# Altium PCB M12_PCB.PcbDoc
Units mil, origin at the board's own origin, x right, y up, seen from the top; angles counter-clockwise.
Board outline 4988.34 x 2191.29 mil, 2 copper layers (Top Layer, Bottom Layer); 119 components, 90 nets, 499 pads, 190 vias.
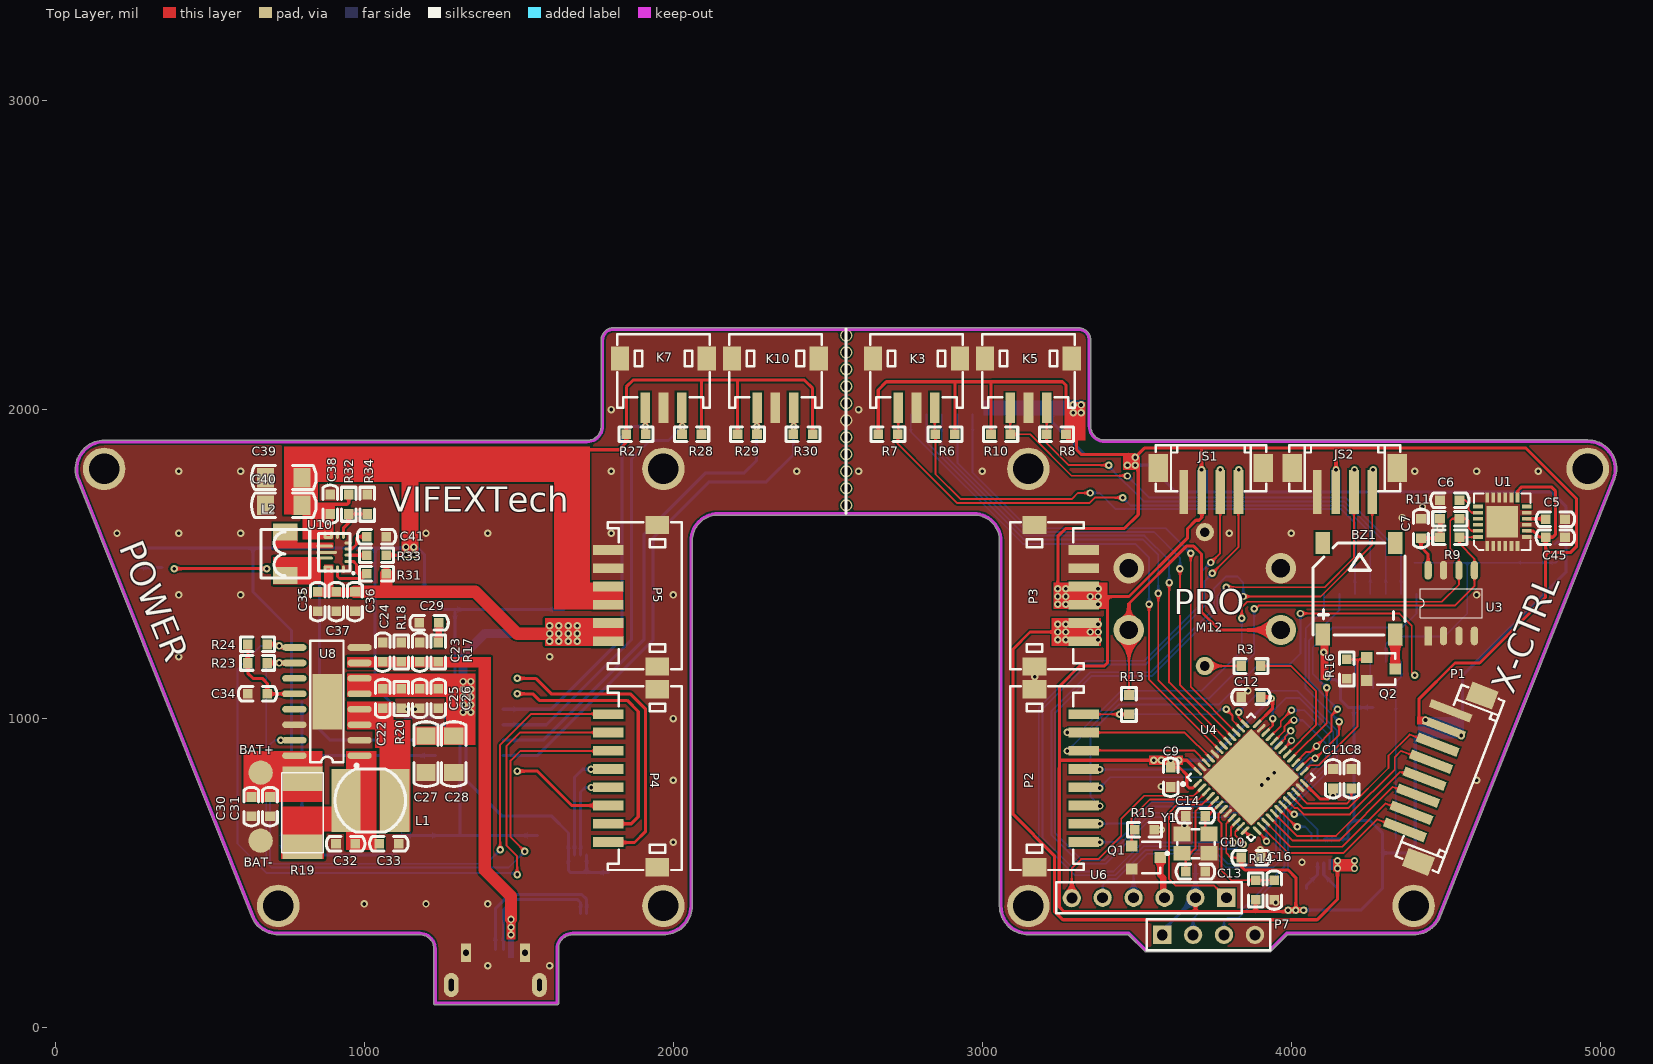
[diagram p0: Top Layer view]
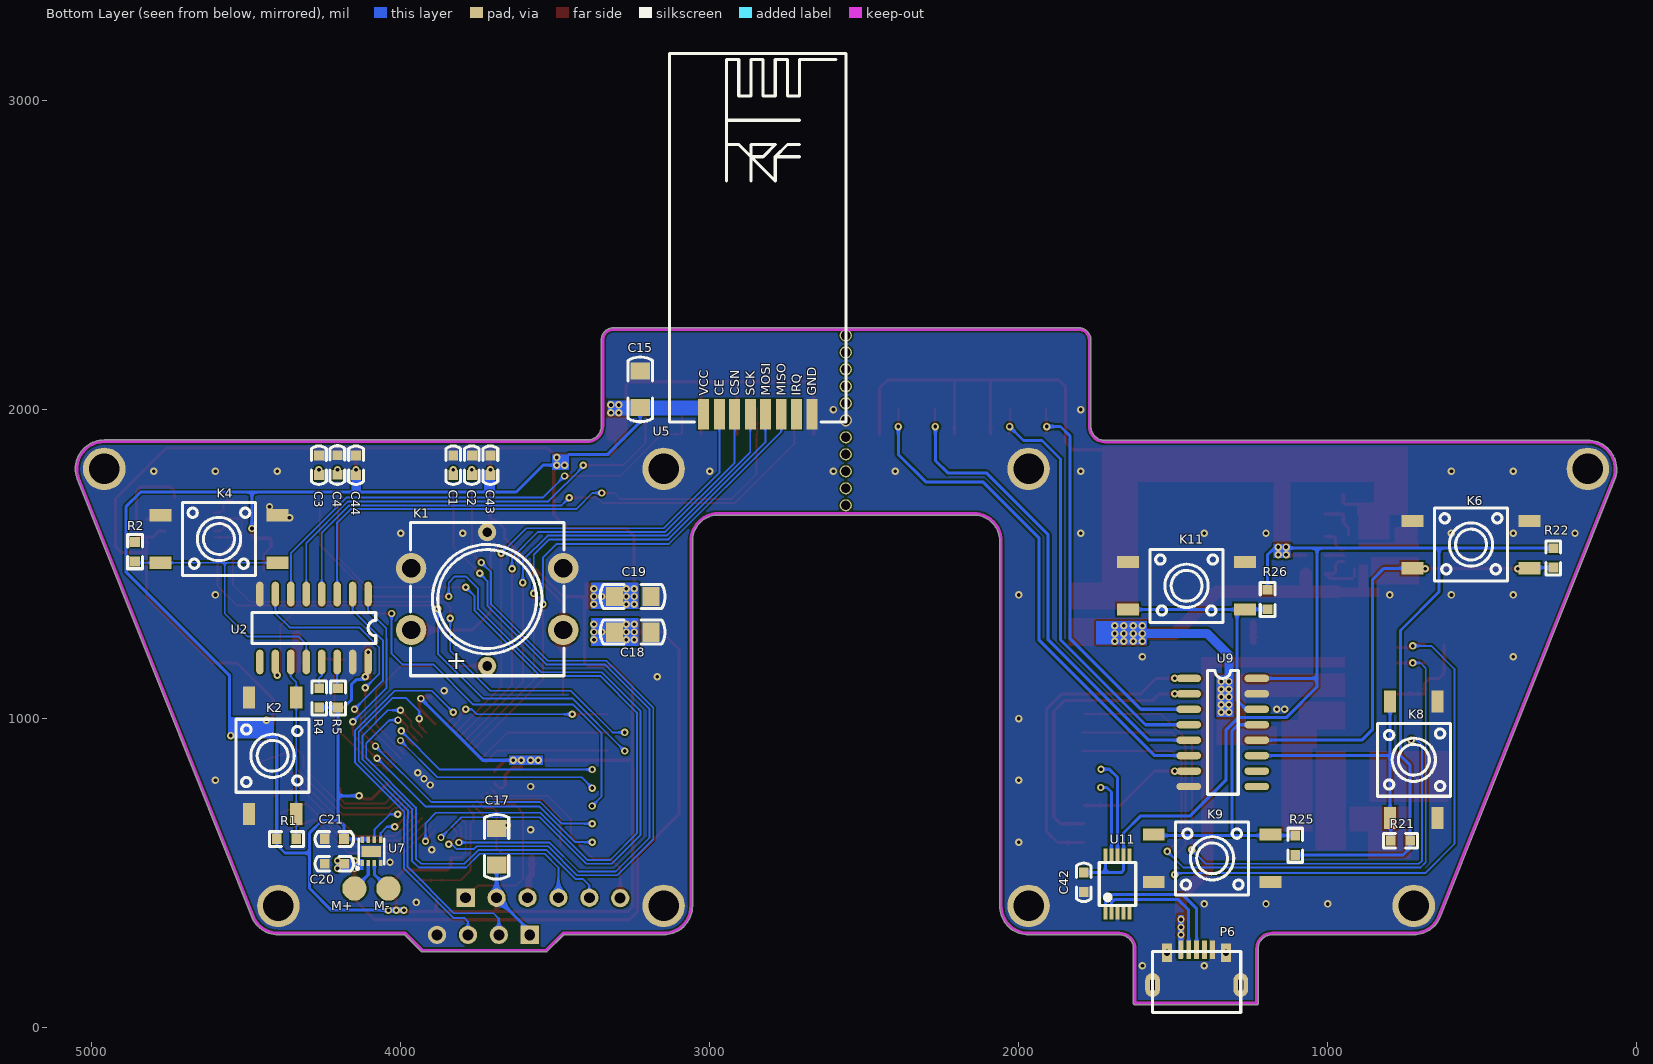
[diagram p1: Bottom Layer view, seen from below]
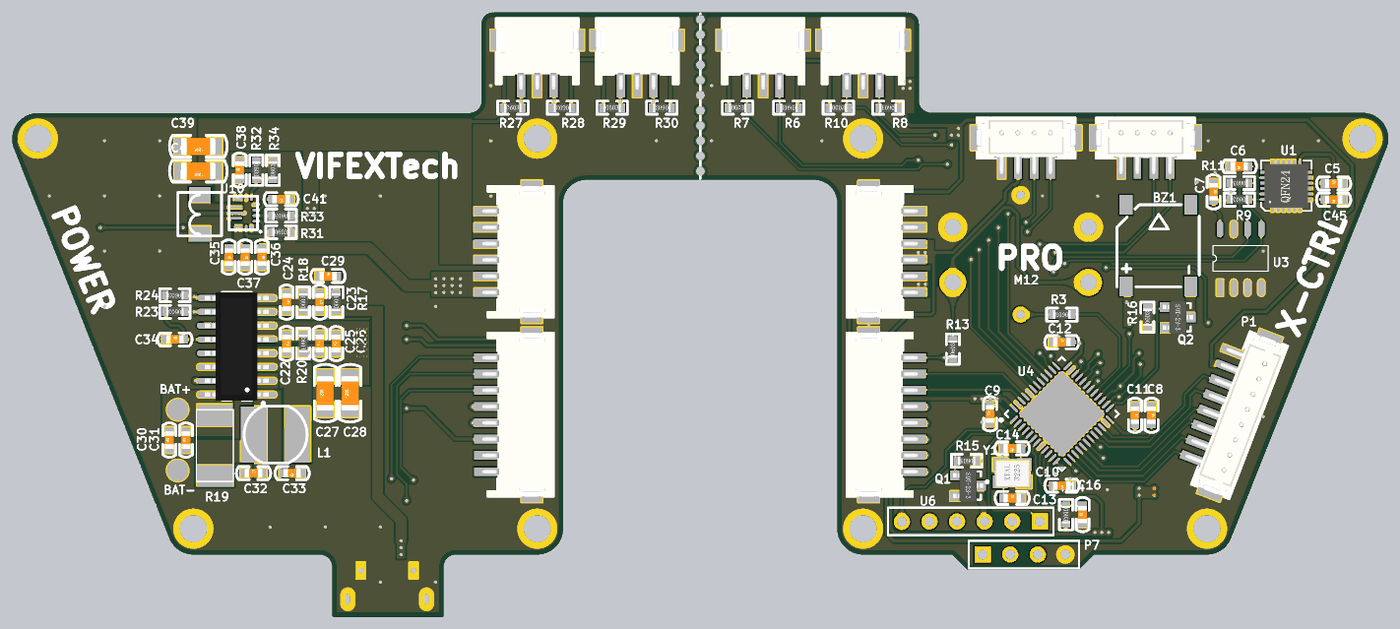
[diagram p2: 3D render of the assembled board from above, using the file's embedded part models]
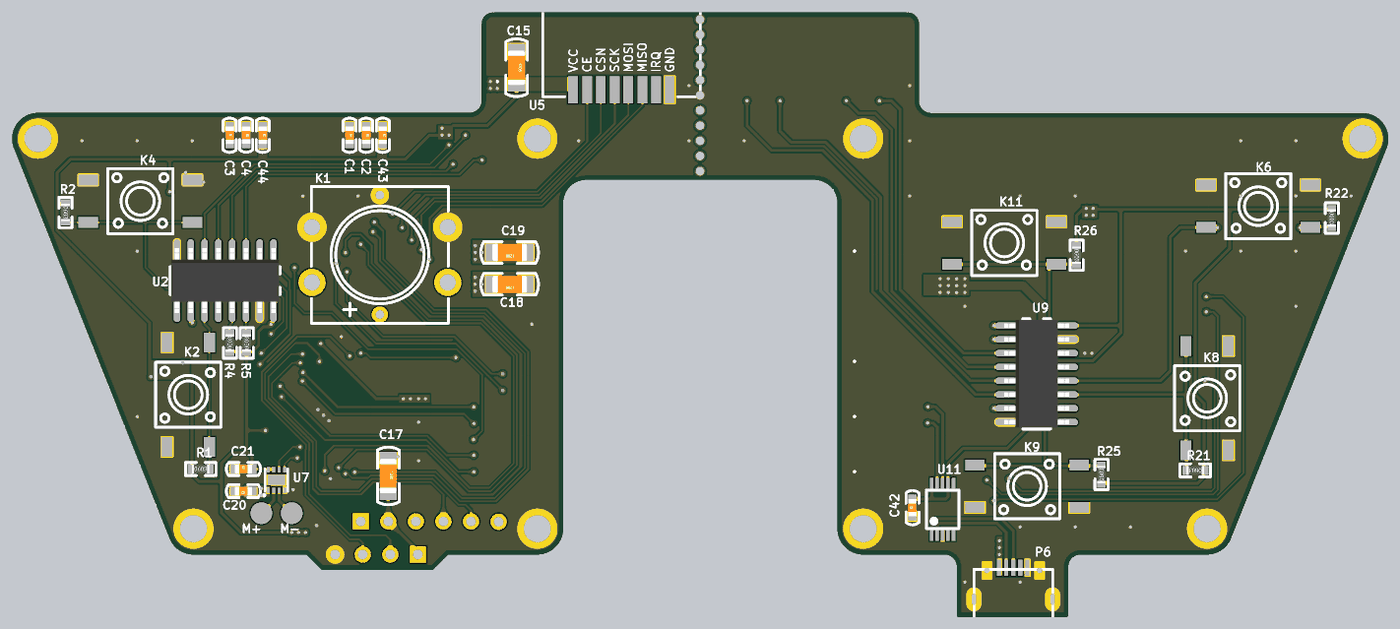
[diagram p3: 3D render of the assembled board from below, using the file's embedded part models]

## Layer stack, top to bottom
Top Solder: solder mask 0.4, Solder Resist, Dk 3.5
Top Layer: signal copper 1.4
Dielectric 1: dielectric 12.6, FR-4, Dk 4.8
Bottom Layer: signal copper 1.4
Bottom Solder: solder mask 0.4, Solder Resist, Dk 3.5

## Board outline
637.22,354.14 ccw(c722.05,393.7) 722.05,300.1 1180.32,300.1 cw(c1180.32,255.12) 1225.3,255.12 1225.3,78.74 ccw(c1230.32,78.74) 1230.32,73.73 1624.02,73.73 ccw(c1624.02,78.74) 1629.03,78.74 1629.03,255.12 cw(c1674.02,255.12) 1674.02,300.1 1968.5,300.1 ccw(c1968.5,393.7) 2062.1,393.7 2062.1,1574.8 cw(c2145.67,1574.8) 2145.67,1658.37 2972.44,1658.37 cw(c2972.44,1574.8) 3056.01,1574.8 3056.01,393.7 ccw(c3149.61,393.7) 3149.61,300.1 3472.8,300.1 3526.45,246.45 3526.44,246.47 ccw(c3530,250) 3530,244.98 3930,244.98 ccw(c3930,250) 3933.56,246.47 3933.55,246.45 3987.2,300.1 4396.06,300.1 ccw(c4396.06,393.7) 4480.89,354.14 ccw(c4476.35,356.26) 4481,354.41 5047.2,1774.27 ccw(c5042.54,1776.13) 5047.22,1774.33 ccw(c4959.84,1807.87) 5053.44,1807.87 ccw(c4959.84,1807.87) 4959.84,1901.47 3396.46,1901.47 cw(c3396.46,1946.46) 3351.47,1946.46 3351.47,2224.41 ccw(c3310.87,2224.41) 3310.87,2265.01 ccw(c3310.87,2260) 3308.98,2264.65 ccw(c3307.09,2260) 3307.09,2265.01 1811.02,2265.01 ccw(c1811.02,2260) 1809.13,2264.65 ccw(c1807.24,2260) 1807.24,2265.01 ccw(c1807.24,2224.41) 1766.64,2224.41 1766.64,1948.82 ccw(c1771.65,1948.82) 1766.91,1947.2 ccw(c1771.65,1945.58) 1766.64,1945.58 cw(c1721.65,1945.58) 1721.65,1900.59 158.62,1900.59 ccw(c158.62,1807) 71.21,1773.53 ccw(c158.62,1807) 71.23,1773.45 ccw(c75.92,1775.25) 71.29,1773.3 71.23,1773.46 cw(c75.89,1775.32) 71.21,1773.53 71.29,1773.3 637.02,354.64 ccw(c641.76,356.26)

## Design rules (kind name [scope] priority, off if disabled: settings)
Clearance [All] p1: gap=6
HoleSize [All] p1 off: absolutevalues=TRUE maxlimit=100 minlimit=1 maxpercent=80.000 minpercent=20.000
HoleToHoleClearance [All] p1 off: gap=10 allowstackedmicrovias=TRUE
LayerPairs [All] p1 off: enforce=TRUE
MinimumSolderMaskSliver [All] p1 off: minsoldermaskwidth=10
NetAntennae [All] p1 off: netantennaetolerance=0
PlaneConnect [All] p1: planeconnectstyle=Direct reliefexpansion=20 reliefentries=4 reliefconductorwidth=10 reliefairgap=10
PolygonConnect [All] p1: connectstyle=Direct reliefconductorwidth=10 reliefentries=4 polygonreliefangle="90 Angle" airgapwidth=10
RoutingVias [All] p1: holewidth=12 width=24 viastyle="Through Hole" minholewidth=12 minwidth=24 maxholewidth=500 maxwidth=500
SilkToSilkClearance [All] p1 off: silktosilkclearance=10
SilkToSolderMaskClearance [IsPad] p1 off: minsilkscreentomaskgap=10 clearancetoexposedcopper=TRUE
SolderMaskExpansion [All] p1: expansion=4
Width [All] p1: maxlimit=100 minlimit=6 preferedwidth=6
22 further rules are at their usual default settings.

## Classes and differential pairs
component class M12_Part_Left: BZ1 C1 C2 C3 C4 C5 C6 C7 C8 C9 C10 C11 C12 C13 C14 C15 C16 C17 C18 C19 C20 C21 C43 C44 C45 JS1 JS2 K1 K2 K3 K4 K5 M+ M- P1 P2 P3 P7 Q1 Q2 R1 R2 R3 R4 R5 R6 R7 R8 R9 R10 R11 R13 R14 R15 R16 U1 U2 U3 U4 U5 U6 U7 Y1
component class M12_Part_Right: BAT+ BAT- C22 C23 C24 C25 C26 C27 C28 C29 C30 C31 C32 C33 C34 C35 C36 C37 C38 C39 C40 C41 C42 K6 K7 K8 K9 K10 K11 L1 L2 P4 P5 P6 R17 R18 R19 R20 R21 R22 R23 R24 R25 R26 R27 R28 R29 R30 R31 R32 R33 R34 U8 U9 U10 U11

## Components (designator, comment, footprint, x,y, rotation, side; value= is the part's Value field where it differs from the comment)
BAT+ "BAT" Pad_B 665,825 r270 top (schematic designator Pad1)
BAT- "GND" Pad_B 665,605 r270 top (schematic designator Pad2)
BZ1 "蜂鸣器" BUZ-SMD_4P-L7.5-W7.5-P7.59-BR 4220,1420 r270 top
C1 "104" 电容_C0603 3830,1820 r270 bottom
C2 "104" 电容_C0603 3770,1820 r270 bottom
C3 "104" 电容_C0603 4265,1820 r270 bottom
C4 "104" 电容_C0603 4205,1820.52 r270 bottom
C5 "104" 电容_C0603 4855,1645 r0 top
C6 "2.2nF" 电容_C0603 4513.37,1706.89 r180 top
C7 "104" 电容_C0603 4420,1615 r270 top
C8 "4.7uF" 电容_C0603 4195,805 r270 top
C9 "1uF" 电容_C0603 3610,810 r90 top
C10 "1uF" 电容_C0603 3870,550 r180 top
C11 "1uF" 电容_C0603 4135,805 r270 top
C12 "1uF" 电容_C0603 3870,1070 r0 top
C13 "22pf" 电容_C0603 3690,505 r0 top
C14 "22pf" 电容_C0603 3690,685 r180 top
C15 "22uF" 电容_C1206 3225,2065 r270 bottom
C16 "104" 电容_C0603 3945,445 r90 top
C17 "22uF" 电容_C1206 3690,585 r270 bottom
C18 "22uF" 电容_C1206 3250,1280 r0 bottom
C19 "22uF" 电容_C1206 3250,1395 r0 bottom
C20 "104" 电容_C0603 4215,530 r0 bottom
C21 "104" 电容_C0603 4215,610 r180 bottom
C22 "4.7nF" 电容_C0603 1060,1065 r270 top
C23 "104" 电容_C0603 1180,1215 r270 top
C24 "10uF" 电容_C0603 1060,1215 r270 top
C25 "104" 电容_C0603 1180,1065 r90 top
C26 "10uF" 电容_C0603 1240,1065 r90 top
C27 "22uF" 电容_C1206 1200,885 r90 top
C28 "22uF" 电容_C1206 1290,885 r90 top
C29 "10uF" 电容_C0603 1210,1310 r0 top
C30 "10uF" 电容_C0603 635,715 r90 top
C31 "104" 电容_C0603 695,715 r90 top
C32 "104" 电容_C0603 940,595 r0 top
C33 "10uF" 电容_C0603 1080,595 r180 top
C34 "104" 电容_C0603 655,1080 r0 top
C35 "106" 电容_C0603 850,1378.51 r270 top
C36 "106" 电容_C0603 970,1378.51 r270 top
C37 "106" 电容_C0603 910,1378.51 r270 top
C38 "106" 电容_C0603 890,1693.51 r90 top
C39 "22uf" 电容_C1206 740,1780 r180 top
C40 "22uf" 电容_C1206 740,1690 r180 top
C41 "104" 电容_C0603 1040,1588.51 r180 top
C42 "105" 电容_C0603 1790,470 r90 bottom
C43 "105" 电容_C0603 3710,1820 r270 bottom
C44 "105" 电容_C0603 4145,1820 r270 bottom
C45 "1uF" 电容_C0603 4855,1586.89 r180 top
JS1 "Joystick-L" ZH1.5-LS-4P 3740.16,1811.02 r0 top locked
JS2 "Joystick-R" ZH1.5-LS-4P 4173.23,1811.02 r0 top locked
K1 "KEY-LIGHT" ? 3720.47,1386.61 r0 bottom locked
K2 "SKRP" KEY-SMD_4P-L6.0-W6.0-P3.90-LS10.0 4414.96,879.53 r90 bottom locked
K3 "*" ZH1.5-WS-3P 2787.4,2165.35 r180 top
K4 "SKRP" KEY-SMD_4P-L6.0-W6.0-P3.90-LS10.0 4588.58,1581.1 r180 bottom locked
K5 "*" ZH1.5-WS-3P 3149.61,2165.35 r180 top locked
K6 "SKRP" KEY-SMD_4P-L6.0-W6.0-P3.90-LS10.0 536.61,1562.99 r180 bottom locked
K7 "*" ZH1.5-WS-3P 1968.5,2165.35 r180 top locked
K8 "SKRP" KEY-SMD_4P-L6.0-W6.0-P3.90-LS10.0 721.65,866.54 r270 bottom locked
K9 "SKRP" KEY-SMD_4P-L6.0-W6.0-P3.90-LS10.0 1374.41,547.64 r0 bottom locked
K10 "*" ZH1.5-WS-3P 2330.71,2165.35 r180 top locked
K11 "SKRP" KEY-SMD_4P-L6.0-W6.0-P3.90-LS10.0 1457.09,1429.53 r180 bottom locked
L1 "1uH" 变压器电感_CD54 1020,735 r0 top
L2 "1.5uH" 变压器电感_0420 745,1533.51 r0 top
M+ "M1-OUT1" Pad_B 4150,450 r90 bottom (schematic designator M1)
M- "M1-OUT2" Pad_B 4040,450 r90 bottom (schematic designator M2)
P1 "Port-LCD" ZH1.5-LS-8P 4515,805 r249 top locked
P2 "Port-L" ZH1.5-WS-8P 3169.29,807.09 r270 top locked
P3 "Port-L-PWR" ZH1.5-WS-6P 3169.29,1397.64 r270 top locked
P4 "Port-R" ZH1.5-WS-8P 1948.82,807.09 r90 top locked
P5 "Port-R-PWR" ZH1.5-WS-6P 1948.82,1397.64 r90 top locked
P6 "MICRO USB" "接插件_MICRO 牛角插座 USB 直边" 1424.61,246.06 r0 bottom locked
P7 "SWD" HDR1X4 3582.68,300 r0 top locked
Q1 "AON6512" MOS_SOT-23 3530,550 r270 top
Q2 "AON6512" MOS_SOT-23 4290.34,1160 r270 top
R1 "10K" 电阻_R0603 4370,610 r180 bottom
R2 "10K" 电阻_R0603 4860,1540 r270 bottom
R3 "100R" 电阻_R0603 3870,1170 r180 top
R4 "10K" 电阻_R0603 4264,1067 r90 bottom
R5 "10K" 电阻_R0603 4203,1067 r90 bottom
R6 "10K" 电阻_R0603 2880,1920 r180 top
R7 "10K" 电阻_R0603 2695,1920 r0 top
R8 "10K" 电阻_R0603 3240,1920 r180 top
R9 "10K" 电阻_R0603 4513.37,1586.89 r180 top
R10 "10K" 电阻_R0603 3060,1920 r0 top
R11 "10K" 电阻_R0603 4513.37,1646.89 r180 top
R13 "100R" 电阻_R0603 3475,1045 r90 top
R14 "10K" 电阻_R0603 3885,445 r270 top
R15 "10K" 电阻_R0603 3525,640 r180 top
R16 "10K" 电阻_R0603 4180,1160 r90 top
R17 "2R" 电阻_R0603 1240,1215 r90 top
R18 "1K" 电阻_R0603 1120,1215 r90 top
R19 "10mR" 电阻_R2512 800,695 r270 top
R20 "1K/NC" 电阻_R0603 1120,1065 r270 top
R21 "10K" 电阻_R0603 765,605 r0 bottom
R22 "10K" 电阻_R0603 270,1520 r270 bottom
R23 "3.3K" 电阻_R0603 655,1180 r180 top
R24 "3.3K" 电阻_R0603 655,1240 r180 top
R25 "10K" 电阻_R0603 1105,590 r90 bottom
R26 "10K" 电阻_R0603 1195,1385 r270 bottom
R27 "10K" 电阻_R0603 1880,1920 r0 top
R28 "10K" 电阻_R0603 2060,1920 r180 top
R29 "10K" 电阻_R0603 2240,1920 r0 top
R30 "10K" 电阻_R0603 2420,1920 r180 top
R31 "10K" 电阻_R0603 1040,1468.51 r0 top
R32 "470K" 电阻_R0603 950,1693.51 r270 top
R33 "100k" 电阻_R0603 1040,1528.51 r180 top
R34 "150K" 电阻_R0603 1010,1693.51 r90 top
U1 "MPU-6050" 陀螺仪_QFN24 4683.37,1636.89 r90 top
U2 "74HC165" 74HC系列_SOP16 4106,1403 r270 bottom
U3 "EEPROM 24CXX" SOP8 4443.03,1267.4 r90 top
U4 "STM32F411CEU6" STM-UFQFPN48_N 3870,810 r45 top locked
U5 "GT-24" GT-24 3130,1960 r180 bottom
U6 "HC-05" HDR1X6 3790,420 r180 top
U7 "DRV883x" WSON-8_L2.0-W2.0-P0.50-TL-EP 4095,570 r90 bottom
U8 "IP5108/IP5108E" SOP16_PWR 880,1055 r180 top
U9 "74HC165" 74HC系列_SOP16 1450,1130 r180 bottom
U10 "TPS63070" VQFN-15-HR 910,1538.51 r180 top
U11 "CH340E" 串口_MSOP10 1720,370 r180 bottom
Y1 "XTAL" 晶振_3225 3690,595 r0 top

## Footprints (in the part's own frame and the unit in brackets; to place one, negate y for a bottom-side part, rotate by r counter-clockwise, add the part's x,y. Pads: shape width x height; smd on the part's side, far side on the other; paste and mask are expansions set on the pad)
74HC系列_SOP16 [mil]
  oval 80x24 smd: 1(0,0) 2(0,-50) 3(0,-100) 4(0,-150) 5(0,-200) 6(0,-250) 7(0,-300) 8(0,-350) 9(220,-350) 10(220,-300) 11(220,-250) 12(220,-200) 13(220,-150) 14(220,-100) 15(220,-50) 16(220,0)
  silkscreen extent 60,-375 160,25, body extent -8,-370 228,20, height 55
BUZ-SMD_4P-L7.5-W7.5-P7.59-BR [mm]
  rect 1.801x1.199 smd: 1(3.75,-2.979) 2(3.75,2.98) 3(-3.75,2.98)
  rect 1.8x1.2 smd: 4(-3.75,-2.98)
  silkscreen extent -3.76,-3.81 3.78,3.76
GT-24 [mm]
  rect 0.9x2.5 smd: 1(2.79,0.635) 2(4.09,0.635) 3(5.343,0.635) 4(6.63,0.635) 5(7.875,0.635) 6(9.176,0.635) 7(10.435,0.635) 8(11.688,0.635)
  silkscreen extent 0,0 14.5,30.3
HDR1X4 [mm] "Connector; Header; 4 Position"
  rect 1.5x1.5 hole 0.9: 1(0,0)
  round 1.5 hole 0.9: 2(2.54,0) 3(5.08,0) 4(7.62,0)
  silkscreen extent -1.27,-1.27 8.89,1.27
HDR1X6 [mm] "Connector; Header; 6 Position"
  rect 1.5x1.5 hole 0.9: 1(0,0)
  round 1.5 hole 0.9: 2(2.54,0) 3(5.08,0) 4(7.62,0) 5(10.16,0) 6(12.7,0.033)
  silkscreen extent -1.27,-1.27 13.97,1.27
KEY-SMD_4P-L6.0-W6.0-P3.90-LS10.0 [mm]
  rect 1.8x1 smd: 1(-4.8,1.95) 1(4.8,1.95) 2(-4.8,-1.95) 2(4.8,-1.95)
  silkscreen extent -3,-3 3,3
MOS_SOT-23 [mm]
  rect 0.9x0.95 smd: 1(-0.95,-1.175) 2(0,1.175) 3(0.95,-1.175)
  silkscreen extent -1.3,-0.3 1.3,1.18, body extent -1.45,-1.4 1.45,1.4, height 1.2
Pad_B [mm]
  round 2 smd: 1(0,0)
SOP8 [mil]
  rect 61x24 smd: 1(0,0)
  oval 61x24 smd: 2(0,-50) 3(0,-100) 4(0,-150) 5(212.6,-150) 6(212.6,-100) 7(212.6,-50) 8(212.6,0)
  silkscreen extent 60,-175 153,25
SOP16_PWR [mm] "SOP, 16-Leads, Body 9.90x3.90mm, Pitch 1.27mm, IPC Medium Density"
  oval 2x0.55 smd: 1(-2.667,4.445) 2(-2.667,3.175) 3(-2.667,1.905) 4(-2.667,0.635) 5(-2.667,-0.635) 6(-2.667,-1.905) 7(-2.667,-3.175) 8(-2.667,-4.445) 9(2.692,-4.445) 10(2.692,-3.175) 11(2.692,-1.905) 12(2.692,-0.635) 13(2.692,0.635) 14(2.692,1.905) 15(2.692,3.175) 16(2.692,4.445)
  rect 2.41x4.57 smd: 17(0,0)
  silkscreen extent -2.55,-5 1.37,5.39, body extent -2.93,-4.98 2.98,5, height 1.45
STM-UFQFPN48_N [mm] "QFN, 48-Leads, Body 7.1x7.1mm, Pitch 0.5mm, Thermal Pad 5.6x5.6mm, IPC Medium Density"
  oval 0.9x0.25 smd: 1(-3.45,2.75) 2(-3.45,2.25) 3(-3.45,1.75) 4(-3.45,1.25) 5(-3.45,0.75) 6(-3.45,0.25) 7(-3.45,-0.25) 8(-3.45,-0.75) 9(-3.45,-1.25) 10(-3.45,-1.75) 11(-3.45,-2.25) 12(-3.45,-2.75) 25(3.45,-2.75) 26(3.45,-2.25) 27(3.45,-1.75) 28(3.45,-1.25) 29(3.45,-0.75) 30(3.45,-0.25) 31(3.45,0.25) 32(3.45,0.75) 33(3.45,1.25) 34(3.45,1.75) 35(3.45,2.25) 36(3.45,2.75)
  oval 0.25x0.9 smd: 13(-2.75,-3.45) 14(-2.25,-3.45) 15(-1.75,-3.45) 16(-1.25,-3.45) 17(-0.75,-3.45) 18(-0.25,-3.45) 19(0.25,-3.45) 20(0.75,-3.45) 21(1.25,-3.45) 22(1.75,-3.45) 23(2.25,-3.45) 24(2.75,-3.45) 37(2.75,3.45) 38(2.25,3.45) 39(1.75,3.45) 40(1.25,3.45) 41(0.75,3.45) 42(0.25,3.45) 43(-0.25,3.45) 44(-0.75,3.45) 45(-1.25,3.45) 46(-1.75,3.45) 47(-2.25,3.45) 48(-2.75,3.45)
  rect 5.6x5.6 smd: 49(0,0)
  silkscreen extent -4.47,-3.7 3.7,3.7, body extent -3.55,-3.55 3.55,3.55, height 0.6
VQFN-15-HR [mm] "VQFN"
  oval 0.599x0.25 smd: 1(-0.964,0.759) 2(-0.964,0.251) 3(-0.964,-0.257) 4(-0.964,-0.739)
  oval 0.25x0.599 smd: 5(-0.573,-1.394) 6(-0.09,-1.394) 7(0.418,-1.394) 7(0.926,-1.394) 12(0.418,1.394) 12(0.926,1.394) 14(-0.09,1.394) 15(-0.573,1.394)
  oval 0.75x0.25 smd: 7(0.672,-1.217) 12(0.679,1.222)
  oval 1.349x0.25 smd: 9(0.964,-0.495) 11(0.964,0.495)
  oval 1.7x0.25 smd: 10(0.789,0.013)
  silkscreen extent -1.45,-1.55 1.48,1.78
WSON-8_L2.0-W2.0-P0.50-TL-EP [mil]
  rect 20.5x11.5 smd: 1(-37.4,29.5) 2(-37.4,10.5) 3(-37.4,-9.5) 4(-37.4,-29.5) 5(37.4,-29.5) 6(37.4,-9.5) 7(37.4,10.5) 8(37.4,29.5)
  rect 35.5x63.5 smd: 9(0,0.5)
  silkscreen extent -58,-41 41,48
ZH1.5-LS-4P [mm] "长：9.0mm，宽：3.7mm，高：5.0mm"
  rect 1.6x2.3 smd: 0(-4.318,0) 0(4.318,0)
  rect 0.7x3.6 smd: 1(-2.238,-1.981) 2(-0.738,-1.981)
  rect 0.8x3.6 smd: 3(0.762,-1.981) 4(2.262,-1.981)
  silkscreen extent -4.55,-1.91 4.55,1.85, body extent -4.55,-3.35 4.55,1.85, height 5.05
ZH1.5-LS-8P [mm] "长：15.0mm，宽：3.7mm，高：5.0mm"
  rect 1.6x2.3 smd: 0(-7.318,0) 0(7.318,0)
  rect 0.7x3.6 smd: 1(-5.238,-1.981) 2(-3.738,-1.981)
  rect 0.8x3.6 smd: 3(-2.238,-1.981) 4(-0.738,-1.981) 5(0.762,-1.981) 6(2.262,-1.981) 7(3.762,-1.981) 8(5.262,-1.981)
  silkscreen extent -7.55,-1.91 7.55,1.85, body extent -7.55,-3.35 7.55,1.85, height 5.05
ZH1.5-WS-3P [mm] "长：7.6mm，宽：6.0mm，高：3.7mm"
  rect 1.5x1.95 smd: 0(-3.568,0) 0(3.568,0)
  rect 0.8x2.5 smd: 1(-1.5,4.05) 2(0,4.05) 3(1.5,4.05)
  silkscreen extent -3.8,-2 3.8,4.06, body extent -3.8,-2 3.8,4.6, height 3.75
ZH1.5-WS-6P [mm] "长：12.1mm，宽：6.0mm，高：3.7mm"
  rect 1.5x1.95 smd: 0(-5.818,0) 0(5.818,0)
  rect 0.8x2.5 smd: 1(-3.75,4.05) 2(-2.25,4.05) 3(-0.75,4.05) 4(0.75,4.05) 5(2.25,4.05) 6(3.75,4.05)
  silkscreen extent -6.05,-2 6.05,4.06, body extent -6.05,-2 6.05,4.6, height 3.75
ZH1.5-WS-8P [mm] "长：15.1mm，宽：6.0mm，高：3.7mm"
  rect 1.5x1.95 smd: 0(-7.318,0) 0(7.318,0)
  rect 0.8x2.5 smd: 1(-5.25,4.05) 2(-3.75,4.05) 3(-2.25,4.05) 4(-0.75,4.05) 5(0.75,4.05) 6(2.25,4.05) 7(3.75,4.05) 8(5.25,4.05)
  silkscreen extent -7.55,-2 7.55,4.06, body extent -7.55,-2 7.55,4.6, height 3.75
串口_MSOP10 [mm]
  rect 0.32x1 smd: 1(0,0) 2(0.5,0) 3(1,0) 4(1.5,0) 5(2,0) 6(2,4.8) 7(1.5,4.8) 8(1,4.8) 9(0.5,4.8) 10(0,4.8)
  silkscreen extent -0.5,0.62 2.5,4.15
变压器电感_0420 [mm]
  rect 2x1.4 smd: 1(0,-1.8) 2(0,1.8)
  silkscreen extent -2,-2 2,2
变压器电感_CD54 [mm]
  rect 2.4x5.2 smd: 1(-2,0) 2(2,0)
  silkscreen extent -2.9,-2.6 2.9,2.6
"接插件_MICRO 牛角插座 USB 直边" [mm]
  oval 1.2x2 hole 0.4 slot 1 at 90 deg: 0(-3.625,2.75) 0(3.625,2.75)
  rect 0.8x1.5 hole 0.5: 0(-2.425,0.1) 0(2.425,0.1)
  rect 0.4x1.5 smd: 1(1.3,-0.15) 2(0.65,-0.15) 3(0,-0.15) 4(-0.65,-0.15) 5(-1.3,-0.15)
  silkscreen extent -3.62,0 3.62,5
晶振_3225 [mm]
  rect 1.4x1.2 smd: 0(-1.1,0.8) 0(1.1,-0.8) 1(-1.1,-0.8) 2(1.1,0.8)
  silkscreen extent -2.4,-1.2 1.6,1.2, body extent -1.55,-1.27 1.65,1.23, height 0.8
电容_C0603 [mm]
  rect 0.8x0.8 smd: 1(-0.8,0) 2(0.8,0)
  silkscreen extent -1.58,-0.6 1.58,0.6, body extent -0.8,-0.4 0.8,0.4, height 0.3
电容_C1206 [mm]
  rect 1.4x1.6 smd: 1(-1.5,0) 2(1.5,0)
  silkscreen extent -2.66,-1 2.66,1, body extent -1.6,-0.8 1.6,0.8, height 1
电阻_R0603 [mm]
  rect 0.8x0.8 smd: 1(-0.8,0) 2(0.8,0)
  silkscreen extent -1.4,-0.6 1.4,0.6, body extent -0.8,-0.4 0.8,0.4, height 0.45
电阻_R2512 [mm]
  rect 2x3.3 smd: 1(-2.8,0) 2(2.8,0)
  silkscreen extent -3.3,-1.7 3.3,1.7
陀螺仪_QFN24 [mm]
  rect 2.6x2.6 smd: 0(0.005,0)
  rect 0.8x0.3 smd: 1(-2,1.25) 2(-2,0.75) 3(-2,0.25) 4(-2,-0.25) 5(-2,-0.75) 6(-2,-1.25) 13(2,-1.25) 14(2,-0.75) 15(2,-0.25) 16(2,0.25) 17(2,0.75) 18(2,1.25)
  rect 0.3x0.8 smd: 7(-1.25,-2) 8(-0.75,-2) 9(-0.25,-2) 10(0.25,-2) 11(0.75,-2) 12(1.25,-2) 19(1.25,2) 20(0.75,2) 21(0.25,2) 22(-0.25,2) 23(-0.75,2) 24(-1.25,2)
  silkscreen extent -2.32,-2.32 2.32,2.32, body extent -2,-2 2.01,2, height 0.9